# Altium PCB PCB2.PcbDoc
Units mil, origin at the board's own origin, x right, y up, seen from the top; angles counter-clockwise.
Board outline 6000 x 4000 mil, 2 copper layers (Top Layer, Bottom Layer); 56 components, 41 nets, 142 pads, 0 vias.
Unrouted connection lines stored in the file: 93.
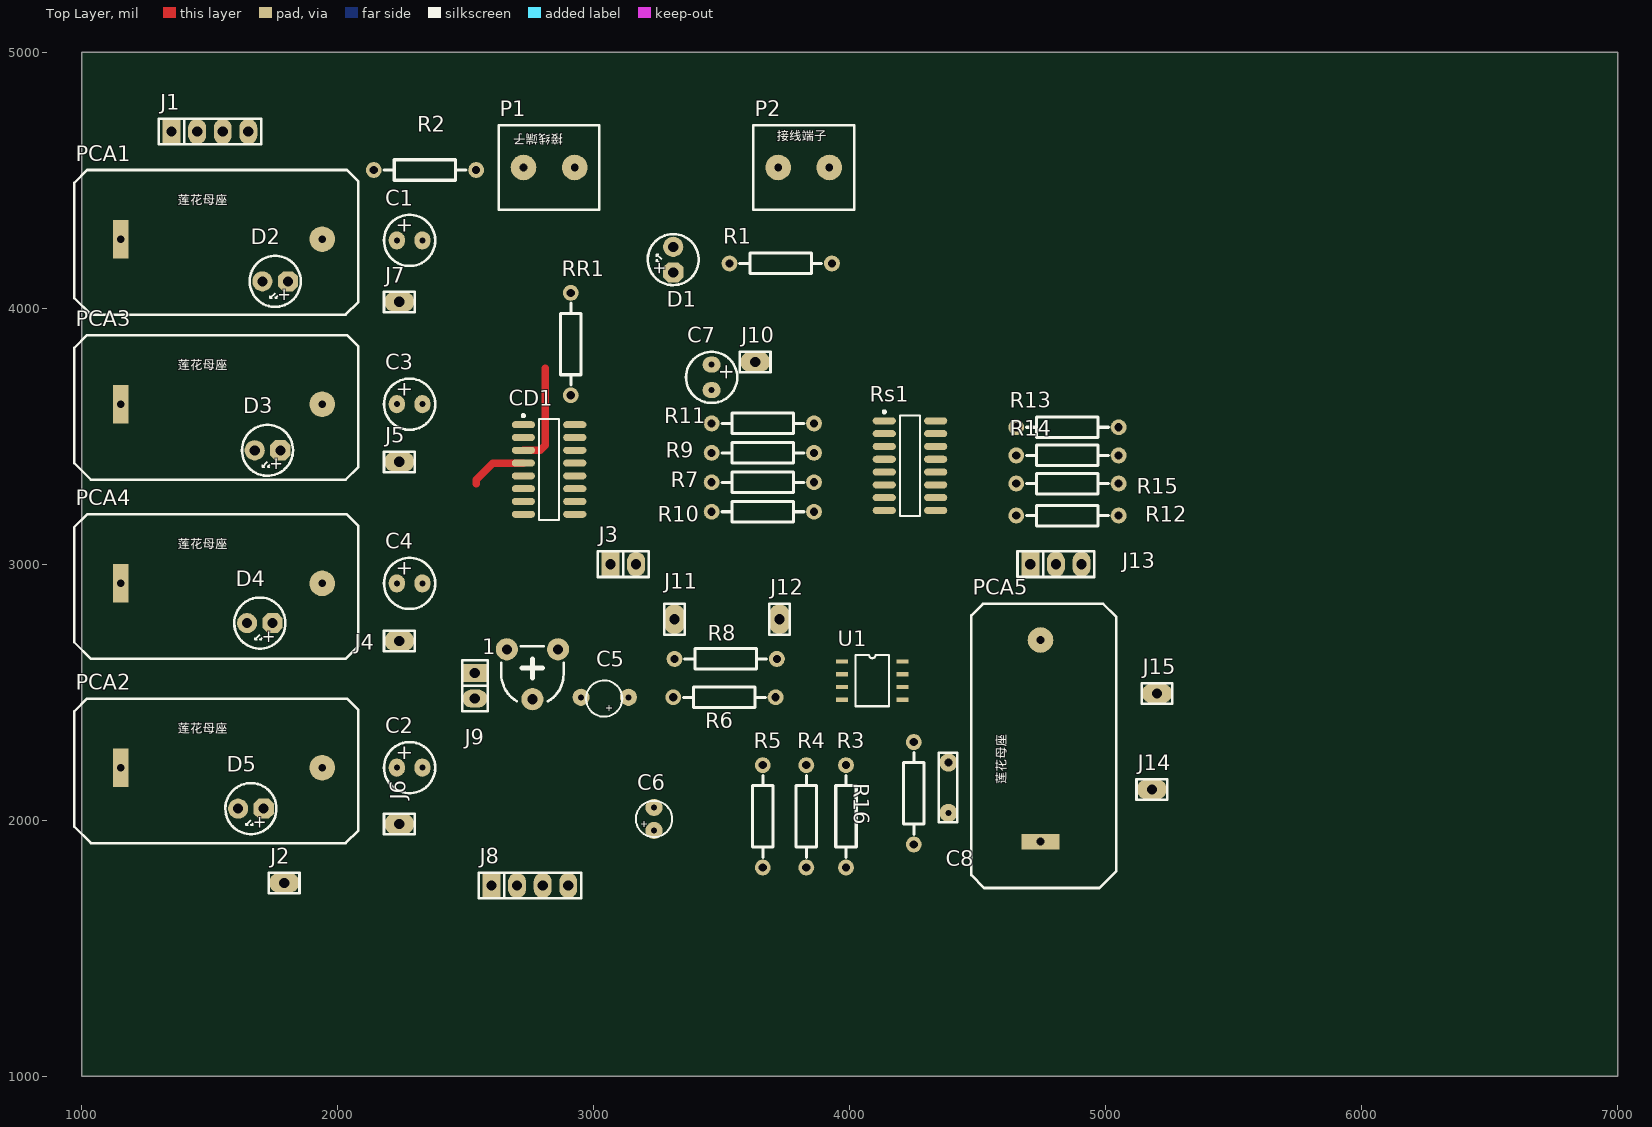
[diagram p0: Top Layer view]
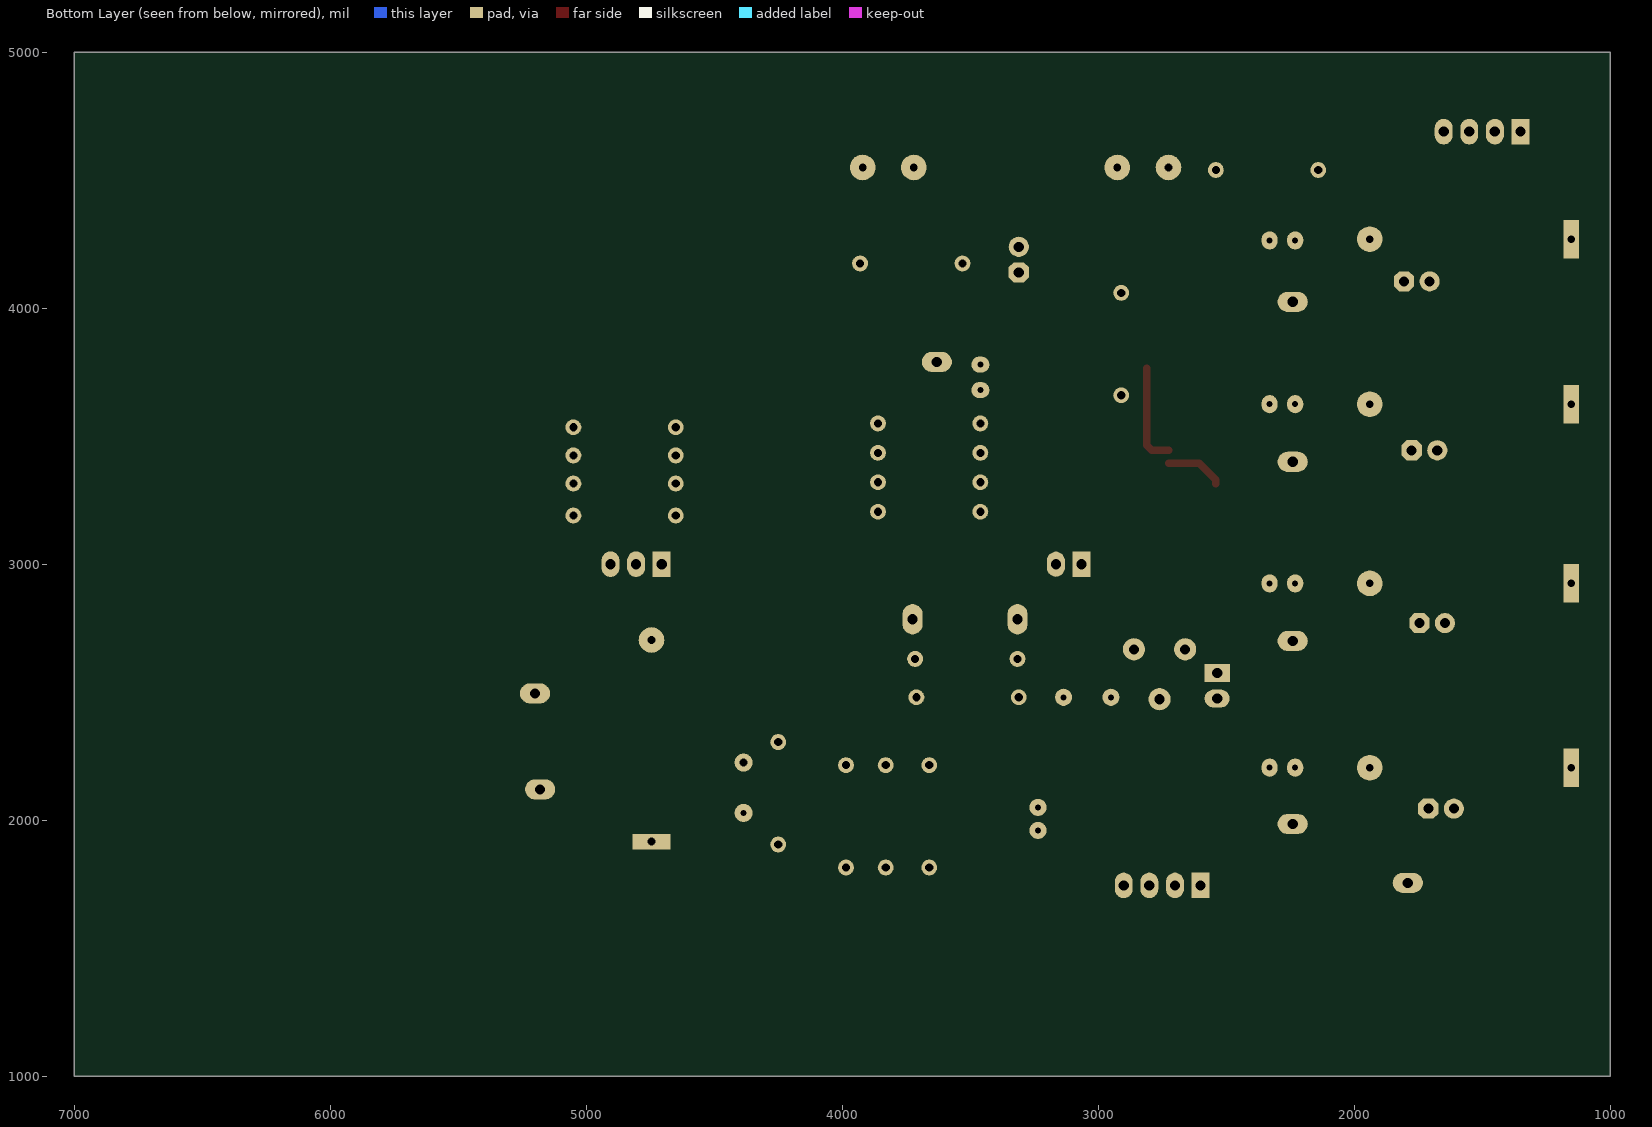
[diagram p1: Bottom Layer view, seen from below]

## Layer stack, top to bottom
Top Solder: solder mask 0.4, Solder Resist, Dk 3.5
Top Layer: signal copper 1.4
Dielectric 1: dielectric 12.6, FR-4, Dk 4.8
Bottom Layer: signal copper 1.4
Bottom Solder: solder mask 0.4, Solder Resist, Dk 3.5

## Board outline
1000,1000 7000,1000 7000,5000 1000,5000

## Design rules (kind name [scope] priority, off if disabled: settings)
Clearance [All] p1: gap=20
PolygonConnect [All] p1: connectstyle=Relief reliefconductorwidth=10 reliefentries=4 polygonreliefangle="90 Angle" airgapwidth=10
RoutingVias [All] p1: holewidth=28 width=50 viastyle="Through Hole" minholewidth=28 minwidth=50 maxholewidth=28 maxwidth=50
SolderMaskExpansion [All] p1: expansion=4
Width [All] p1: maxlimit=30 minlimit=30 preferedwidth=30
30 further rules are at their usual default settings.

## Components (designator, comment, footprint, x,y, rotation, side; value= is the part's Value field where it differs from the comment)
1 "RPOT-1" RVR-2 2760,2570 r0 top
C1 "22UF" CAO2 2280,4265 r0 top
C2 "22UF" CAO2 2280,2205 r0 top
C3 "22UF" CAO2 2280,3625 r0 top
C4 "22UF" CAO2 2280,2925 r0 top
C5 "10U" CAO1#1 3040,2475 r180 top
C6 "10U" CAO1#2 3235,2005 r90 top
C7 "22UF" CAO2 3460,3730 r270 top
C8 "30PF" CAP2 4385,2225 r270 top
CD1 "4052" SO-16 2825,3370 r0 top
D1 "LED" LED2_B 3310,4190 r90 top
D2 "LED_R" LED2_B 1755,4105 r180 top
D3 "LED_R" LED2_B 1725,3445 r180 top (schematic designator D4)
D4 "LED_R" LED2_B 1695,2770 r180 top
D5 "LED_R" LED2_B 1660,2045 r180 top
J1 "CON4" sip-4 1350,4690 r0 top
J2 "CON1" SIP-1 1790,1755 r90 top
J3 "CON2" sip-2 3065,3000 r0 top
J4 "*" SIP-1 2240,2700 r90 top
J5 "*" SIP-1 2240,3400 r90 top
J6 "*" SIP-1 2240,1985 r90 top
J7 "*" SIP-1 2240,4025 r90 top
J8 "CON4" sip-4 2600,1745 r0 top
J9 "CON2" sip-2 2535,2575 r270 top
J10 "*" SIP-1 3630,3790 r90 top
J11 "CON1" SIP-1 3315,2785 r0 top
J12 "CON1" SIP-1 3725,2785 r0 top
J13 "CON3" sip-3 4705,3000 r0 top
J14 "CON1" SIP-1 5180,2120 r90 top
J15 "CON1" SIP-1 5200,2495 r90 top
P1 "接线端子" 接线端子 2825,4550 r0 top
P2 "接线端子" 接线端子 3820,4550 r0 top
PCA1 "莲花插座" 莲花母座 1545,4270 r0 top
PCA2 "莲花插座" 莲花母座 1545,2205 r0 top
PCA3 "莲花插座" 莲花母座 1545,3625 r0 top (schematic designator PCA2)
PCA4 "莲花插座" 莲花母座 1545,2925 r0 top (schematic designator PCA1)
PCA5 "莲花插座" 莲花母座 4745,2310 r90 top
R1 "1K" AXIAL0.4 3530,4175 r0 top
R2 "3.3K" AXIAL0.4 2540,4540 r180 top
R3 "4.7K" AXIAL0.4 3985,2215 r270 top
R4 "4.7K" AXIAL0.4 3830,2215 r270 top
R5 "47K" AXIAL0.4 3660,1815 r90 top
R6 "4.7K" AXIAL0.4 3310,2480 r0 top
R7 "27K" AXIAL0.4 3460,3320 r0 top
R8 "47K" AXIAL0.4 3715,2630 r180 top
R9 "15K" AXIAL0.4 3460,3435 r0 top
R10 "6.8K" AXIAL0.4 3460,3205 r0 top
R11 "3.3K" AXIAL0.4 3460,3550 r0 top
R12 "1K" AXIAL0.4 5050,3190 r180 top
R13 "680" AXIAL0.4 5050,3535 r180 top
R14 "220" AXIAL0.4 5050,3425 r180 top
R15 "51" AXIAL0.4 5050,3315 r180 top
R16 "3.3K" AXIAL0.4 4250,1905 r90 top
RR1 "200" AXIAL0.4 2910,4060 r270 top
Rs1 "4051" SO-16 4235,3385 r0 top
U1 "lmv358" SOP8 3970,2620 r0 top

## Footprints (in the part's own frame and the unit in brackets; to place one, negate y for a bottom-side part, rotate by r counter-clockwise, add the part's x,y. Pads: shape width x height; smd on the part's side, far side on the other; paste and mask are expansions set on the pad)
AXIAL0.4 [mil]
  round 62 hole 32: 1(0,0) 2(400,0)
  silkscreen extent 40,-40 360,40
CAO1#1 [mm]
  round 1.7 hole 0.6: 1(-2.413,-0.127) 2(2.286,-0.127)
  silkscreen extent -1.8,-1.8 1.8,1.8
CAO1#2 [mm]
  round 1.7 hole 0.6: 1(-1.143,0) 2(1.143,0)
  silkscreen extent -1.8,-1.8 1.8,1.8
CAO2 [mm]
  oval 1.6x1.8 hole 0.6: 1(-1.27,0) 2(1.27,0)
  silkscreen extent -2.54,-2.54 2.54,2.54
CAP2 [mm]
  round 1.8 hole 0.8: 1(0,0)
  round 1.8 hole 0.6: 2(5,0)
  silkscreen extent -0.98,-0.95 5.93,0.9
LED2_B [mm] "5mm"
  oct 2x2 hole 1: 1(-1.27,0)
  round 2 hole 1: 2(1.27,0)
  silkscreen extent -2.53,-2.53 2.53,2.53, body extent -2.8,-2.91 2.55,2.79, height 8.85
RVR-2 [mm]
  round 2.2 hole 1: 1(-2.54,2.476) 2(0,-2.476) 3(2.54,2.476)
  silkscreen extent -3.09,-2.68 3.09,2.79, body extent -3.2,-3.22 3.2,3.78, height 7.5
SIP-1 [mm]
  oval 2x3 hole 1.016: 1(0,0)
  silkscreen extent -1.02,-1.52 1.02,1.52
sip-2 [mil]
  rect 70x100 hole 40: 1(0,0)
  oval 70x98.42 hole 40: 2(100,0)
  silkscreen extent -50,-50 150,50
sip-3 [mil]
  rect 70x100 hole 40: 1(0,0)
  oval 70x100 hole 40: 2(100,0) 3(200,0)
  silkscreen extent -50,-50 250,50
sip-4 [mil]
  rect 70x100 hole 40: 1(0,0)
  oval 70x100 hole 40: 2(100,0) 3(200,0) 4(300,0)
  silkscreen extent -50,-50 350,50
SO-16 [mm] "SOIC, 16-Leads, Body 9.9x3.9mm, Pitch 1.27mm, IPC Low Density"
  oval 2.3x0.7 smd: 1(-2.55,4.445) 2(-2.55,3.175) 3(-2.55,1.905) 4(-2.55,0.635) 5(-2.55,-0.635) 6(-2.55,-1.905) 7(-2.55,-3.175) 8(-2.55,-4.445) 9(2.55,-4.445) 10(2.55,-3.175) 11(2.55,-1.905) 12(2.55,-0.635) 13(2.55,0.635) 14(2.55,1.905) 15(2.55,3.175) 16(2.55,4.445)
  silkscreen extent -2.67,-5 1,5.47, body extent -2,-5 2,5, height 1.73
SOP8 [mm]
  rect 1.2x0.42 smd: 1(0,0) 2(0,-1.27) 3(0,-2.54) 4(0,-3.81) 5(6,-3.81) 6(6,-2.54) 7(6,-1.27) 8(6,0)
  silkscreen extent 1.34,-4.44 4.67,0.64
接线端子 [mil]
  round 100 hole 30: 1(-100,0) 2(100,0)
  silkscreen extent -197,-165 197,165
莲花母座 [mil] "莲花插座"
  round 100 hole 30: 1(393.7,0)
  rect 60x150 hole 30: 2(-393.7,0)
  silkscreen extent -575,-295 535,270

## Part data
1: "普通电位器"
C1 C2 C3 C4 C5 C6 C7: library part CAP3
C8: library part CAP1
J1 J2 J3 J8 J9 J11 J12 J13 J14 J15: "Connector"
J4 J5 J6 J7 J10: library part CON1, "Connector"
PCA1 PCA2 PCA3 PCA4 PCA5: library part PCA
R1 R2 R3 R4 R5 R6 R7 R8 R9 R10 R11 R12 R13 R14 R15 R16 RR1: library part RES, "电阻"
U1: library part NE5532

## Nets (pads, with @x,y where several pads share a name; then routed paths per layer and width w, separated by ;. In a path a pad name is that pad's centre, name@x,y a point inside that pad or via, vN(x,y) a via of type N, cw(c..) or ccw(c..) an arc to the next point about the centre after c; other vN are vias at no path point)
5V: P1.1 R2.1 R3.1 RR1.1 Rs1.16 U1.8
-5V: CD1.7 D1.2 P2.1 Rs1.7
GND: 1.3 C6.2 C8.2 CD1.6 CD1.8 J2.1 J8.1 J8.2 J8.3 J8.4 J14.1 P1.2 P2.2 PCA1.2 PCA2.2 PCA3.2 PCA4.2 PCA5.2 R1.2 R4.1 R16.1 Rs1.6 Rs1.8 U1.4
Net1_1: 1.1 J9.2
Net1_2: 1.2 C5.2
NetC1_1: C1.1 PCA1.1
NetC1_2: C1.2 CD1.1 J7.1
NetC2_1: C2.1 PCA2.1
NetC2_2: C2.2 CD1.5 J6.1
NetC3_1: C3.1 PCA3.1
NetC3_2: C3.2 CD1.2 J5.1
NetC4_1: C4.1 PCA4.1
NetC4_2: C4.2 CD1.4 J4.1 | length 226.5
  Top Layer w30: 2540,3315 2540,3330 2605,3395 CD1.4
NetC5_1: C5.1 R6.1
NetC6_1: C6.1 R3.2 R4.2 R5.1
NetC7_2: C7.2 R7.1 R9.1 R10.1 R11.1 R12.1 R13.1 R14.1 R15.1
NetC8_1: C8.1 J15.1 PCA5.1 R16.2 Rs1.3
NetCD1_9: CD1.9 J3.1
NetCD1_10: CD1.10 J3.2
NetCD1_16: CD1.16 RR1.2
NetD1_1: D1.1 R1.1
NetD2_1: D2.1 D3.1 D4.1 D5.1 R2.2
NetD2_2: D2.2 J1.4
NetD3_2: D3.2 J1.3
NetD4_2: D4.2 J1.2
NetD5_2: D5.2 J1.1
NetJ11_1: J11.1 J12.1 R8.2 U1.1
NetJ13_1: J13.1 Rs1.9
NetJ13_2: J13.2 Rs1.10
NetJ13_3: J13.3 Rs1.11
NetR5_2: R5.2 U1.3
NetR6_2: R6.2 R8.1 U1.2
NetR7_2: R7.2 Rs1.4
NetR9_2: R9.2 Rs1.2
NetR10_2: R10.2 Rs1.5
NetR11_2: R11.2 Rs1.1
NetR12_2: R12.2 Rs1.12
NetR13_2: R13.2 Rs1.15
NetR14_2: R14.2 Rs1.14
NetR15_2: R15.2 Rs1.13
OUT1: C7.1 CD1.3 J9.1 J10.1 | length 393.7
  Top Layer w30: CD1.3 2790,3445 2810,3465 2810,3765
pads on no net: CD1.11 CD1.12 CD1.13 CD1.14 CD1.15 U1.5 U1.6 U1.7

## Text inside footprints (layer, text, board x,y; h text height)
C1: Top Overlay "+" at 2225.87,4298.47 h60
C2: Top Overlay "+" at 2225.87,2238.47 h60
C3: Top Overlay "+" at 2225.87,3658.47 h60
C4: Top Overlay "+" at 2225.87,2958.47 h60
C5: Top Overlay "+" at 3076.42,2448.43 h27.56 r180
C6: Top Overlay "+" at 3208.43,1968.58 h27.56 r90
C7: Top Overlay "+" at 3493.47,3784.13 h60 r270
D1: Top Overlay "+" at 3277,4128 h47.24 r90
D2: Top Overlay "+" at 1817,4072 h47.24 r180
D3: Top Overlay "+" at 1787,3412 h47.24 r180
D4: Top Overlay "+" at 1757,2737 h47.24 r180
D5: Top Overlay "+" at 1722,2012 h47.24 r180
PCA1: Top Overlay "莲花母座" at 1375,4395 h60
PCA2: Top Overlay "莲花母座" at 1375,2330 h60
PCA3: Top Overlay "莲花母座" at 1375,3750 h60
PCA4: Top Overlay "莲花母座" at 1375,3050 h60
PCA5: Top Overlay "莲花母座" at 4620,2140 h60 r90